# Altium PCB iTOP4412_main_Clasics_v3_2.PcbDoc (part 3 of 7)
Units mil, origin at the board's own origin, x right, y up, seen from the top; angles counter-clockwise.
Board outline 4331.71 x 7481.31 mil, 2 copper layers (TOP, BOTTOM), stack 10.4 mil thick; 260 components, 380 nets, 1380 pads, 1110 vias.
Unrouted connection lines stored in the file: 1.
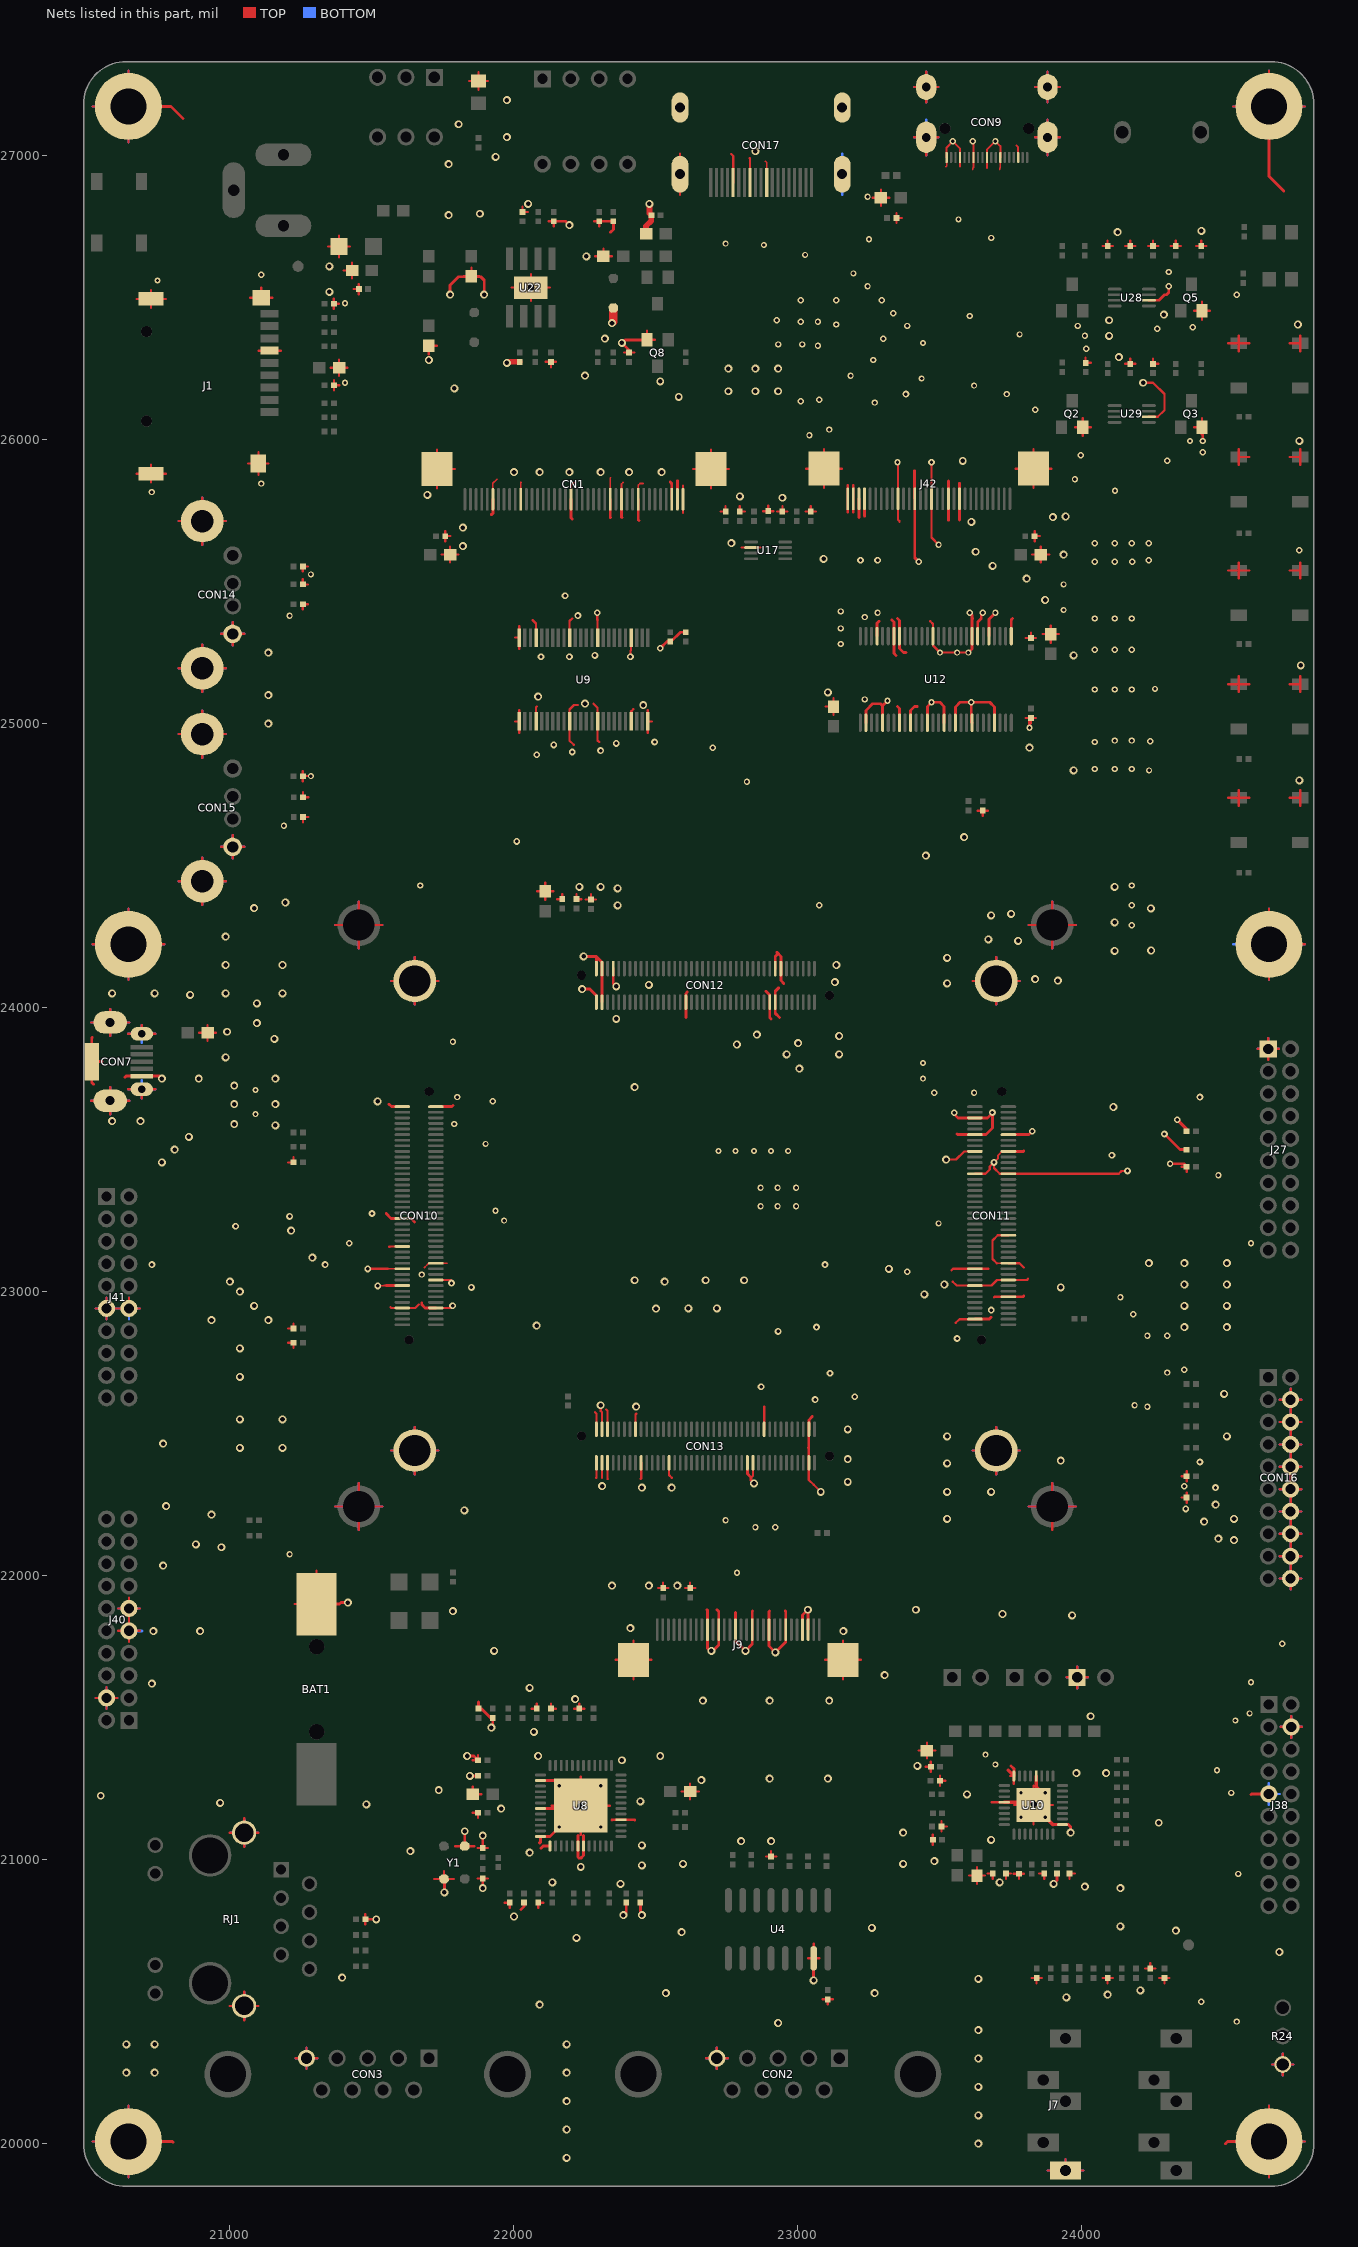
[diagram p3: the nets of this part, all layers, seen from the top]

## Via types
v1: diameter 22, hole 12, TOP to BOTTOM, 637 vias
v2: diameter 28, hole 16, TOP to BOTTOM, 350 vias
v3: diameter 24, hole 12, TOP to BOTTOM, 111 vias
v4: diameter 40, hole 24, TOP to BOTTOM, 12 vias

## Nets (pads, with @x,y where several pads share a name; then routed paths per layer and width w, separated by ;. In a path a pad name is that pad's centre, name@x,y a point inside that pad or via, vN(x,y) a via of type N, cw(c..) or ccw(c..) an arc to the next point about the centre after c; other vN are vias at no path point) (continued)
GND: BAT1.2 C1.2 C2.2 C3.2 C4.2 C5.2 C11.2 C13.2 C26.2 C27.2 C28.1 C29.1 C30.2 C31.2 C32.2 C33.2 C34.2 C35.1 C36.2 C37.2 C38.2 C39.2 C40.2 C41.2 C42.2 C43.2 C45.2 C46.2 C47.2 C48.2 C49.2 C50.2 C51.2 C52.2 C53.2 C54.2 C56.2 C57.2 C58.2 C59.2 C60.2 C61.2 C62.2 C68.2 C69.2 C79.2 C80.2 C87.2 C88.2 C89.1 C93.2 C95.2 C96.2 C99.2 C100.2 C101.2 C102.2 C103.2 C104.2 C105.2 C106.2 C112.2 C117.2 C118.2 C128.2 C129.2 C130.2 C137.2 C144.2 C145.2 C148.2 C149.2 C150.2 C151.2 C152.2 C153.2 C154.2 CN1.6 CN1.11 CN1.20 CN1.27 CN1.29 CN1.32 CN1.38 CN1.39 CN1.40 CN1.41 CN1.42 CON2.5 CON3.5 CON7.5 CON7.6 CON7.7 CON7.8 CON7.9 CON7.10 CON9.1 CON9.4 CON9.7 CON9.10 CON9.13 CON9.17 CON9.20 CON9.21 CON9.22 CON9.23 CON10.7 CON10.8 CON10.15 CON10.18 CON10.21 CON10.24 CON10.29 CON10.39 CON10.79 CON10.80 CON11.6 CON11.11 CON11.12 CON11.17 CON11.18 CON11.25 CON11.26 CON11.47 CON11.57 CON11.60 CON11.63 CON11.66 CON11.69 CON11.78 CON12.14 CON12.15 CON12.16 CON12.17 CON12.47 CON12.74 CON12.77 CON12.78 CON12.79 CON12.80 CON13.3 CON13.4 CON13.20 CON13.23 CON13.25 CON13.53 CON13.63 CON13.66 CON13.75 CON13.76 CON13.77 CON13.78 CON13.79 CON13.80 CON14.4 CON14.5 CON14.6 CON15.4 CON15.5 CON15.6 CON16.4 CON16.6 CON16.8 CON16.10 CON16.12 CON16.14 CON16.16 CON16.18 CON16.20 CON17.5 CON17.8 CON17.11 CON17.20 CON17.21 CON17.22 CON17.23 H5.1 H6.1 H7.1 H8.1 H9.1 H10.1 H11.1 H12.1 H13.1 H14.1 J1.6 J1.10 J1.11 J1.12 J1.13 J5.1 J7.5 J9.10 J9.12 J9.15 J9.18 J9.21 J9.24 J9.27 J9.28 J9.31 J9.32 J27.1 J38.4 J38.9 J40.4 J40.9 J40.11 J41.11 J41.12 J42.10 J42.12 J42.15 J42.18 J42.21 J42.27 J42.28 J42.29 J42.30 J42.31 J42.32 LED1.2 Q2.2 Q3.2 Q5.2 Q8.2 R4.1 R5.1 R11.2 R23.2 R24.1 R26.1 R33.2 R42.1 R44.1 R45.2 R64.1 R65.1 R73.2 R74.2 R77.2 R78.2 R79.2 R89.2 R119.1 R120.1 R128.1 R129.1 R133.2 R135.2 R154.1 R155.2 R174.1 RJ1.13 RJ1.14 U4.15 U8.1 U8.6 U8.7 U8.16 U8.38 U8.43 U8.48 U8.49 U9.4 U9.10 U9.15 U9.21 U9.24 U9.25 U9.28 U9.34 U9.39 U9.45 U9.48 U10.9 U10.20 U10.24 U10.28 U10.33 U12.2 U12.5 U12.8 U12.10 U12.13 U12.16 U12.18 U12.21 U12.25 U12.29 U12.33 U12.35 U12.36 U12.43 U12.49 U12.50 U12.53 U17.2 U22.9 U28.2 U29.2 Y1.2 Y1.4 | length 51416.9
  TOP w6: v3(21522.85,23020.81) 21542.85,23020.81 21543.88,23021.83 21552.85,23021.83 ; 21557.85,23080.57 21558.17,23080.88 CON10.21@21609.9,23080.88 ; 21687.85,23085.57 21689.51,23087.23 21689.51,23087.51 21702.58,23100.58 CON10.24@21728.01,23100.58 21764.51,23100.58 ; CON10.8@21728.01,22943.1 21785.38,22943.1 21786.85,22944.57 v3(21786.85,22950.57) ; CON10.18@21728.01,23041.51 21781.91,23041.51 21782.85,23040.57 v3(21782.85,23030.57) ; 21764.52,23100.57 21767.85,23100.57 ; CN1.6@21928.46,25790.33 21928.46,25846.18 21942.85,25860.57 ; CN1.11@22026.89,25790.33 22026.89,25849.61 22027.85,25850.57 ; CN1.20@22204.05,25790.33 22204.05,25839.33 22215.29,25850.57 ; 22295.76,25366.09 22295.76,25304.52 U9.10@22297.06,25303.21 ; CN1.27@22341.85,25790.33 22341.85,25864.57 22342.85,25865.57 ; CN1.29@22381.22,25790.33 22381.22,25843.94 22387.85,25850.57 ; CN1.32@22440.28,25790.33 22440.28,25839.33 22446.51,25845.57 22457.85,25845.57 ; 22887.85,26980.57 22892.54,26975.89 CON17.11@22892.54,26904.84 ; 23522.85,26960.57 23526.12,26963.84 CON9.1@23526.12,26993.78 ; 23572.85,26960.57 23573.37,26961.08 CON9.4@23573.37,26993.78 ; 23617.85,26950.57 23617.85,26955.57 23620.61,26958.33 CON9.7@23620.61,26993.78 ; 23667.85,26955.57 CON9.10@23667.85,26993.78 ; v3(23692.85,23455.57) 23707.26,23469.98 23707.26,23480.38 23721.16,23494.28 CON11.17@23743.76,23494.28 ; 23702.86,23100.58 CON11.57@23743.76,23100.58 ; 23712.85,26950.57 23712.85,26955.57 23715.1,26957.81 CON9.13@23715.1,26993.78
  TOP w7: CON9.1@23526.12,26993.78 23526.13,27028.84 v1(23547.85,27050.57) 23573.37,27025.06 CON9.4@23573.37,26993.78 ; v1(23617.85,27050.57) 23620.61,27047.81 CON9.7@23620.61,26993.78 ; CON9.10@23667.85,26993.78 23667.85,27020.57 v1(23697.85,27050.57) 23715.09,27033.33 23715.09,27023.28 ; 23772.85,27035.57 23778.09,27030.33 CON9.17@23778.09,26993.78 ; 23715.09,27023.28 CON9.13@23715.1,26993.78 23715.1,27023.28
  TOP w8: 20514.14,23672.78 CON7.9@20581.2,23672.78 ; 20514.14,23948.37 CON7.8@20581.2,23948.37 ; 20519.33,20008.05 H13.1@20645.33,20008.05 ; 20519.33,24223.41 H12.1@20645.33,24223.41 ; 20519.33,27173.41 H10.1@20645.33,27173.41 ; 20530.48,21569.98 J40.4@20568.48,21569.98 ; 20530.48,22941.52 J41.11@20568.48,22941.52 ; 20568.48,21531.98 J40.4@20568.48,21569.98 ; 20568.48,21607.98 J40.4@20568.48,21569.98 ; 20568.48,22903.51 J41.11@20568.48,22941.52 ; 20568.48,22979.52 J41.11@20568.48,22941.52 ; 20581.2,23625.4 CON7.9@20581.2,23672.78 ; 20581.2,23720.15 CON7.9@20581.2,23672.78 ; 20581.2,23900.99 CON7.8@20581.2,23948.37 ; 20581.2,23995.74 CON7.8@20581.2,23948.37 ; 20606.49,21569.98 J40.4@20568.48,21569.98 ; 20606.49,22941.52 J41.11@20568.48,22941.52 ; 20609.22,21806.2 J40.9@20647.22,21806.2 ; 20609.22,21884.94 J40.11@20647.22,21884.94 ; 20609.22,22941.52 J41.12@20647.22,22941.52 ; 20645.05,23713.13 CON7.7@20692.42,23713.13 ; 20645.05,23908.01 CON7.6@20692.42,23908.01 ; 20645.33,19882.05 H13.1@20645.33,20008.05 ; 20645.33,20134.05 H13.1@20645.33,20008.05 ; 20645.33,24097.4 H12.1@20645.33,24223.41 ; 20645.33,24349.41 H12.1@20645.33,24223.41 ; 20645.33,27047.4 H10.1@20645.33,27173.41 ; 20645.33,27299.41 H10.1@20645.33,27173.41 ; 20647.22,21768.2 J40.9@20647.22,21806.2 ; 20647.22,21844.2 J40.9@20647.22,21806.2 ; 20647.22,21846.94 J40.11@20647.22,21884.94 ; 20647.22,21922.94 J40.11@20647.22,21884.94 ; 20647.22,22979.52 J41.12@20647.22,22941.52 ; 20648.26,23672.78 CON7.9@20581.2,23672.78 ; 20648.26,23948.37 CON7.8@20581.2,23948.37 ; 20673.6,25880.45 J1.13@20725.1,25880.45 ; 20673.6,26495.69 J1.11@20725.1,26495.69 ; 20685.23,21806.2 J40.9@20647.22,21806.2 ; 20685.23,21884.94 J40.11@20647.22,21884.94 ; 20685.23,22941.52 J41.12@20647.22,22941.52 ; 20692.42,23681.51 CON7.7@20692.42,23713.13 ; 20692.42,23939.64 CON7.6@20692.42,23908.01 ; 20725.1,25848.95 J1.13@20725.1,25880.45 ; 20725.1,25911.96 J1.13@20725.1,25880.45 ; 20725.1,26464.19 J1.11@20725.1,26495.69 ; 20725.1,26527.19 J1.11@20725.1,26495.69 ; 20739.79,23713.13 CON7.7@20692.42,23713.13 ; 20739.79,23908.01 CON7.6@20692.42,23908.01 ; 20771.34,24223.41 H12.1@20645.33,24223.41 ; 20776.6,25880.45 J1.13@20725.1,25880.45 ; 20776.6,26495.69 J1.11@20725.1,26495.69 ; 20822.35,24445.47 CON15.6@20905.35,24445.47 ; 20822.35,24963.47 CON15.5@20905.35,24963.47 ; 20822.35,25195.47 CON14.6@20905.35,25195.47 ; 20822.35,25713.47 CON14.5@20905.35,25713.47 ; 20893.85,23911.57 C89.1@20923.85,23911.57 ; 20905.35,24362.47 CON15.6@20905.35,24445.47 ; 20905.35,24528.47 CON15.6@20905.35,24445.47 ; 20905.35,24880.47 CON15.5@20905.35,24963.47 ; 20905.35,25046.47 CON15.5@20905.35,24963.47 ; 20905.35,25112.47 CON14.6@20905.35,25195.47 ; 20905.35,25278.47 CON14.6@20905.35,25195.47 ; 20905.35,25630.47 CON14.5@20905.35,25713.47 ; 20905.35,25796.47 CON14.5@20905.35,25713.47 ; 20923.85,23883.57 C89.1@20923.85,23911.57 ; 20923.85,23939.57 C89.1@20923.85,23911.57 ; 20953.86,23911.57 C89.1@20923.85,23911.57 ; 20971.85,24566.47 CON15.4@21012.35,24566.47 ; 20971.85,25316.47 CON14.4@21012.35,25316.47 ; 20988.36,24445.47 CON15.6@20905.35,24445.47 ; 20988.36,24963.47 CON15.5@20905.35,24963.47 ; 20988.36,25195.47 CON14.6@20905.35,25195.47 ; 20988.36,25713.47 CON14.5@20905.35,25713.47 ; 21002.35,20485.57 RJ1.14@21052.85,20485.57 ; 21002.35,21095.57 RJ1.13@21052.85,21095.57 ; 21012.35,24525.97 CON15.4@21012.35,24566.47 ; 21012.35,24606.97 CON15.4@21012.35,24566.47 ; 21012.35,25275.97 CON14.4@21012.35,25316.47 ; 21012.35,25356.97 CON14.4@21012.35,25316.47 ; 21052.85,20435.07 RJ1.14@21052.85,20485.57 ; 21052.85,20536.08 RJ1.14@21052.85,20485.57 ; 21052.85,21045.07 RJ1.13@21052.85,21095.57 ; 21052.85,21146.08 RJ1.13@21052.85,21095.57 ; 21052.86,24566.47 CON15.4@21012.35,24566.47 ; 21052.86,25316.47 CON14.4@21012.35,25316.47 ; 21067.55,25915.88 J1.12@21103.05,25915.88 ; 21073.55,26499.69 J1.10@21113.05,26499.69 ; 21102.92,26313.52 J1.6@21142.42,26313.52 21181.92,26313.52 ; 21103.05,25876.38 J1.12@21103.05,25915.88 ; 21103.05,25955.38 J1.12@21103.05,25915.88 ; 21103.36,20485.57 RJ1.14@21052.85,20485.57 ; 21103.36,21095.57 RJ1.13@21052.85,21095.57 ; 21113.05,26535.19 J1.10@21113.05,26499.69 ; 21138.55,25915.88 J1.12@21103.05,25915.88 ; 21152.55,26499.69 J1.10@21113.05,26499.69 ; 21207.85,22820.57 C112.2@21226.35,22820.57 21226.35,22802.57 ; 21207.85,22870.57 C117.2@21226.35,22870.57 21226.35,22888.57 ; 21207.85,23455.57 R174.1@21226.35,23455.57 21226.35,23473.57 ; 21229.85,21900.57 BAT1.2@21307.85,21900.57 21307.85,22018.57 ; 21234.1,20301.48 CON3.5@21272.11,20301.48 ; 21259.35,24797.57 C88.2@21259.35,24815.57 ; 21259.35,24833.57 C88.2@21259.35,24815.57 ; 21259.35,25402.57 R119.1@21259.35,25420.57 21277.86,25420.57 ; 21259.35,25508.57 R120.1@21259.35,25490.57 21277.86,25490.57 ; 21259.35,25535.57 C87.2@21259.35,25553.57 21277.86,25553.57 ; 21260.35,24653.57 R128.1@21260.35,24671.57 21278.86,24671.57 ; 21260.35,24759.57 R129.1@21260.35,24741.57 21278.86,24741.57 ; 21272.11,20263.47 CON3.5@21272.11,20301.48 ; 21272.11,20339.48 CON3.5@21272.11,20301.48 ; v1@21277.86,24815.57 C88.2@21259.35,24815.57 ; 21310.11,20301.48 CON3.5@21272.11,20301.48 ; 21348.87,26680.57 C1.2@21386.87,26680.57 ; 21356.85,26253.57 C42.2@21386.85,26253.57 ; 21368.35,26460.57 C43.2@21368.35,26478.57 ; 21368.35,26496.57 C43.2@21368.35,26478.57 ; 21369.35,26173.57 C41.2@21369.35,26191.57 ; 21369.35,26209.57 C41.2@21369.35,26191.57 ; 21373.65,22244.06 21456.65,22244.06 ; 21373.65,24291.3 21456.65,24291.3 ; 21386.85,26225.57 C42.2@21386.85,26253.57 ; 21386.85,26281.57 C42.2@21386.85,26253.57 ; 21386.86,26478.57 C43.2@21368.35,26478.57 ; 21386.87,26642.57 C1.2@21386.87,26680.57 ; 21386.87,26718.57 C1.2@21386.87,26680.57 ; 21387.86,26191.57 C41.2@21369.35,26191.57 ; 21402.85,26595.57 C3.2@21432.85,26595.57 ; 21416.86,26253.57 C42.2@21386.85,26253.57 ; 21424.88,26680.57 C1.2@21386.87,26680.57 ; 21432.85,26567.57 C3.2@21432.85,26595.57 ; 21432.85,26623.57 C3.2@21432.85,26595.57 ; 21437.85,26530.57 C2.2@21456.35,26530.57 ; 21456.35,26512.57 C2.2@21456.35,26530.57 ; 21456.35,26548.57 C2.2@21456.35,26530.57 ; 21456.65,22161.05 21456.65,22244.06 ; 21456.65,22327.06 21456.65,22244.06 ; 21456.65,24208.3 21456.65,24291.3 ; 21456.65,24374.3 21456.65,24291.3 ; 21479.35,20772.57 C40.2@21479.35,20790.57 21479.35,20808.57 ; 21539.65,22244.06 21456.65,22244.06 ; 21539.65,24291.3 21456.65,24291.3 ; 21562.85,23158.94 21566.23,23158.94 21566.9,23159.62 CON10.29@21609.9,23159.62 ; 21567.85,22945.57 21570.33,22943.1 CON10.7@21609.9,22943.1 21655.38,22943.1 21667.85,22955.57 ; 21570.5,22440.91 H6.1@21653.5,22440.91 ; 21570.5,24094.45 H7.1@21653.5,24094.45 ; 21653.5,22357.91 H6.1@21653.5,22440.91 ; 21653.5,22523.91 H6.1@21653.5,22440.91 ; 21653.5,24011.45 H7.1@21653.5,24094.45 ; 21653.5,24177.45 H7.1@21653.5,24094.45 ; 21702.85,26300.57 C93.2@21702.85,26330.57 21730.86,26330.57 ; 21721.81,20932.89 Y1.4@21756.31,20932.89 ; 21731.61,25828.63 CN1.41@21731.61,25896.63 ; 21731.61,25964.64 CN1.41@21731.61,25896.63 ; 21736.5,22440.91 H6.1@21653.5,22440.91 ; 21736.5,24094.45 H7.1@21653.5,24094.45 ; 21747.85,25595.57 C152.2@21777.85,25595.57 ; 21756.31,20959.98 Y1.4@21756.31,20932.89 ; 21760.85,25642.57 C153.2@21760.85,25660.57 ; 21760.85,25678.57 C153.2@21760.85,25660.57 ; 21777.85,25567.57 C152.2@21777.85,25595.57 ; 21777.85,25623.57 C152.2@21777.85,25595.57 ; 21779.36,25660.57 C153.2@21760.85,25660.57 ; 21790.82,20932.89 Y1.4@21756.31,20932.89 ; 21794.62,25896.63 CN1.41@21731.61,25896.63 ; 21794.89,21048.25 Y1.2@21829.39,21048.25 21863.9,21048.25 ; 21807.86,25595.57 C152.2@21777.85,25595.57 ; 21824.85,26575.57 C154.2@21852.85,26575.57 ; 21844.26,27262.97 LED1.2@21877.85,27262.97 ; 21852.85,26605.57 C154.2@21852.85,26575.57 ; 21857.85,21165.57 C31.2@21876.35,21165.57 21876.35,21147.57 ; 21857.85,21258.57 C27.2@21857.85,21230.57 21887.86,21230.57 ; 21857.85,21350.57 C32.2@21876.35,21350.57 21876.35,21368.57 ; 21874.85,20934.07 C36.2@21892.85,20934.07 21910.86,20934.07 ; 21874.85,21042.07 C37.2@21892.85,21042.07 21910.86,21042.07 ; 21877.85,27231.35 LED1.2@21877.85,27262.97 ; 21877.85,27294.6 LED1.2@21877.85,27262.97 ; 21880.86,26575.57 C154.2@21852.85,26575.57 ; 21911.45,27262.97 LED1.2@21877.85,27262.97 ; 21969.85,20849.07 C29.1@21987.85,20849.07 21987.85,20830.57 ; 21995.3,26535.57 v4(22062.35,26535.57) ; 22007.47,25007.93 U9.25@22021.47,25007.93 ; 22007.47,25303.21 U9.24@22021.47,25303.21 ; 22021.47,24967.43 U9.25@22021.47,25007.93 ; 22021.47,25048.43 U9.25@22021.47,25007.93 ; 22021.47,25262.71 U9.24@22021.47,25303.21 ; 22021.47,25343.72 U9.24@22021.47,25303.21 ; 22032.85,26820.57 C96.2@22032.85,26802.07 22050.86,26802.07 ; 22062.35,26488.2 v4(22062.35,26535.57) ; 22062.35,26582.94 v4(22062.35,26535.57) ; 22064.85,21532.07 C35.1@22082.85,21532.07 22082.85,21550.57 ; 22067.85,25365.57 22080.53,25352.89 U9.21@22080.53,25303.21 ; U9.28@22080.53,25007.93 22080.53,25058.25 22082.85,25060.57 ; 22084.85,24410.57 C118.2@22112.85,24410.57 ; 22087.85,20830.57 C38.2@22087.85,20849.07 22105.86,20849.07 ; 22112.85,24380.57 C118.2@22112.85,24410.57 ; 22112.85,24440.57 C118.2@22112.85,24410.57 ; 22114.85,26274.07 R135.2@22132.85,26274.07 ; 22124.85,26769.07 C95.2@22142.85,26769.07 22142.85,26750.57 ; 22129.41,26535.57 v4(22062.35,26535.57) ; 22132.85,21550.57 R45.2@22132.85,21532.07 22150.86,21532.07 ; 22132.85,26255.57 R135.2@22132.85,26274.07 ; 22134.85,21190.57 v4(22237.85,21190.57) ; 22140.86,24410.57 C118.2@22112.85,24410.57 ; 22150.86,26274.07 R135.2@22132.85,26274.07 ; 22154.85,24382.39 C130.2@22172.85,24382.39 22172.85,24400.89 ; U9.15@22198.65,25303.21 22198.65,25361.36 22207.85,25370.57 ; 22212.85,24925.57 22198.65,24939.78 U9.34@22198.65,25007.93 22198.65,25050.43 22213.79,25065.57 22227.85,25065.57 ; 22214.85,21532.07 R42.1@22232.85,21532.07 ; 22222.85,24400.89 C129.2@22222.85,24382.39 22240.86,24382.39 ; 22232.85,21550.57 R42.1@22232.85,21532.07 ; 22237.85,21087.57 v4(22237.85,21190.57) ; 22237.85,21293.57 v4(22237.85,21190.57) ; 22250.86,21532.07 R42.1@22232.85,21532.07 ; 22255.85,24381.07 C128.2@22273.85,24381.07 ; 22273.85,24399.57 C128.2@22273.85,24381.07 ; 22282.85,25070.57 22297.06,25056.36 U9.39@22297.06,25007.93 22297.06,24941.36 22302.85,24935.57 ; 22284.85,26769.07 R4.1@22302.85,26769.07 22302.85,26750.57 ; 22287.85,22575.57 22292.97,22570.45 CON13.80@22292.97,22515.93 ; 22287.85,26645.57 C62.2@22317.85,26645.57 ; 22291.86,24381.07 C128.2@22273.85,24381.07 ; 22292.85,22345.57 22292.97,22345.69 CON13.79@22292.97,22397.81 ; v3(22295.76,25390.57) 22295.76,25366.09 22297.06,25364.78 ; U9.10@22297.06,25303.21 22297.06,25364.78 ; 22297.85,25365.57 22297.06,25364.78 ; v2(22307.85,22600.57) 22307.85,22580.57 22312.66,22575.76 CON13.78@22312.66,22515.93 ; CON13.77@22312.66,22397.81 22312.66,22345.76 22312.85,22345.57 ; 22317.85,26673.57 C62.2@22317.85,26645.57 ; 22327.85,22585.57 22332.34,22581.08 CON13.76@22332.34,22515.93 ; CON13.75@22332.34,22397.81 22332.34,22341.08 22332.85,22340.57 ; 22340.86,21190.57 v4(22237.85,21190.57) ; 22347.86,26645.57 C62.2@22317.85,26645.57 ; 22360.57,21704.27 J9.32@22423.57,21704.27 ; 22389.85,26307.07 R11.2@22407.85,26307.07 22425.86,26307.07 ; v3(22412.85,25235.57) 22412.85,25256.57 22415.17,25258.89 U9.4@22415.17,25303.21 ; U9.45@22415.17,25007.93 22415.17,25042.89 22422.85,25050.57 ; 22423.57,21636.27 J9.32@22423.57,21704.27 ; 22423.57,21772.27 J9.32@22423.57,21704.27 ; CON13.66@22430.77,22515.93 22430.77,22568.49 22432.85,22570.57 ; 22447.85,22340.57 22450.45,22343.17 CON13.63@22450.45,22397.81 ; 22470.85,26383.19 Q8.2@22470.85,26351.57 22498.54,26351.57 ; 22474.24,24967.43 U9.48@22474.24,25007.93 ; 22474.24,25048.43 U9.48@22474.24,25007.93 ; 22486.57,21704.27 J9.32@22423.57,21704.27 ; 22488.24,25007.93 U9.48@22474.24,25007.93 ; 22509.85,21957.07 C69.2@22527.85,21957.07 ; 22527.85,21975.57 C69.2@22527.85,21957.07 ; 22545.86,21957.07 C69.2@22527.85,21957.07 ; CON13.53@22548.88,22397.81 22548.88,22354.54 22557.85,22345.57 ; 22587.42,26861.8 CON17.22@22587.42,26934.76 22587.42,27007.73 ; 22592.85,21240.57 C34.2@22622.85,21240.57 ; 22597.76,25742.33 CN1.40@22597.76,25790.33 22597.76,25838.34 ; 22604.85,21957.07 C68.2@22622.85,21957.07 ; 22622.85,21212.57 C34.2@22622.85,21240.57 ; 22622.85,21268.57 C34.2@22622.85,21240.57 ; 22622.85,21975.57 C68.2@22622.85,21957.07 ; 22633.18,25896.63 CN1.42@22696.18,25896.63 ; 22640.86,21957.07 C68.2@22622.85,21957.07 ; 22652.86,21240.57 C34.2@22622.85,21240.57 ; 22679.1,20301.48 CON2.5@22717.11,20301.48 ; 22696.18,25828.63 CN1.42@22696.18,25896.63 ; 22696.18,25964.64 CN1.42@22696.18,25896.63 ; 22717.11,20263.47 CON2.5@22717.11,20301.48 ; 22717.11,20339.48 CON2.5@22717.11,20301.48 ; 22729.85,25747.07 C80.2@22747.85,25747.07 22747.85,25765.57 ; 22755.11,20301.48 CON2.5@22717.11,20301.48 ; 22759.18,25896.63 CN1.42@22696.18,25896.63 ; 22767.85,27005.57 22774.43,26999 CON17.5@22774.43,26904.84 ; 22797.85,25765.57 C149.2@22797.85,25747.07 22815.86,25747.07 ; 22805.21,25620.41 U17.2@22837.81,25620.41 22870.42,25620.41 ; 22832.85,26990.57 22833.48,26989.94 CON17.8@22833.48,26904.84 ; 22837.85,22345.57 22844.15,22351.87 CON13.23@22844.15,22397.81 ; 22879.85,25748.57 C79.2@22897.85,25748.57 ; 22882.85,22595.57 22883.52,22594.91 CON13.20@22883.52,22515.93 ; 22889.85,21012.07 C13.2@22907.85,21012.07 ; 22897.85,25767.07 C79.2@22897.85,25748.57 ; 22907.85,21030.57 C13.2@22907.85,21012.07 ; 22915.86,25748.57 C79.2@22897.85,25748.57 ; 22925.86,21012.07 C13.2@22907.85,21012.07 ; 22929.85,25747.07 C148.2@22947.85,25747.07 ; 22947.85,25765.57 C148.2@22947.85,25747.07 ; 22965.86,25747.07 C148.2@22947.85,25747.07 ; 23029.85,25747.07 R26.1@23047.85,25747.07 ; 23031.57,25898.19 J42.31@23094.57,25898.19 ; 23037.85,22450.57 23041,22447.43 ; 23038.04,20653.21 U4.15@23057.85,20653.21 ; CON13.4@23041,22515.93 23041,22447.43 ; 23047.85,25765.57 R26.1@23047.85,25747.07 ; 23057.85,20704.52 U4.15@23057.85,20653.21 ; 23065.86,25747.07 R26.1@23047.85,25747.07 ; 23077.67,20653.21 U4.15@23057.85,20653.21 ; v2(23082.85,22295.57) 23057.85,22320.57 23057.85,22320.77 23041,22337.63 CON13.3@23041,22397.81 23041,22447.43 ; 23089.85,20509.07 C11.2@23107.85,20509.07 ; 23094.57,25830.18 J42.31@23094.57,25898.19 ; 23094.57,25966.19 J42.31@23094.57,25898.19 ; 23098.13,21704.27 J9.31@23161.14,21704.27 ; 23099.85,25060.57 C56.2@23127.85,25060.57 ; 23107.85,20490.57 C11.2@23107.85,20509.07 ; 23125.86,20509.07 C11.2@23107.85,20509.07 ; 23127.85,25030.57 C56.2@23127.85,25060.57 ; 23127.85,25090.57 C56.2@23127.85,25060.57 ; 23157.57,25898.19 J42.31@23094.57,25898.19 ; 23161.14,21636.27 J9.31@23161.14,21704.27 ; 23161.14,21772.27 J9.31@23161.14,21704.27 ; 23177.85,25743.88 J42.30@23177.85,25791.89 23177.85,25839.89 ; 23197.53,25743.88 J42.29@23197.53,25791.89 23197.53,25839.89 ; 23224.14,21704.27 J9.31@23161.14,21704.27 ; 23264.85,26851.57 C106.2@23294.85,26851.57 ; 23294.85,26823.57 C106.2@23294.85,26851.57 ; 23294.85,26879.57 C106.2@23294.85,26851.57 ; 23324.86,26851.57 C106.2@23294.85,26851.57 ; 23349.35,26762.57 C150.2@23349.35,26780.57 ; 23349.35,26798.57 C150.2@23349.35,26780.57 ; v1@23352.85,25925.44 23352.85,25920.7 v1(23352.98,25920.57) 23355.01,25918.54 J42.21@23355.01,25791.89 23355.01,25718.41 23360.04,25713.38 23360.04,25710.57 ; 23367.86,26780.57 C150.2@23349.35,26780.57 ; 23410.84,27064.65 CON9.20@23454.27,27064.65 ; 23410.84,27241.81 CON9.22@23454.27,27241.81 ; 23426.85,21384.57 C46.2@23456.85,21384.57 ; 23451.85,21327.57 C47.2@23470.35,21327.57 ; 23454.27,27001.53 CON9.20@23454.27,27064.65 ; 23454.27,27188.53 CON9.22@23454.27,27241.81 ; 23454.27,27295.09 CON9.22@23454.27,27241.81 ; 23456.85,21356.57 C46.2@23456.85,21384.57 ; 23456.85,21412.57 C46.2@23456.85,21384.57 ; 23468.37,25360.57 23478.01,25350.93 U12.43@23478.01,25308.44 23478.01,25275.41 v1(23502.85,25250.57) v1(23562.85,25250.57) v1(23602.85,25250.57) ; 23470.35,21309.57 C47.2@23470.35,21327.57 ; 23470.35,21345.57 C47.2@23470.35,21327.57 ; v3(23472.85,25920.57) 23472.85,25792.15 J42.15@23473.12,25791.89 23473.12,25655.3 v1(23497.85,25630.57) ; 23477.35,21052.57 C45.2@23477.35,21070.57 23477.35,21088.57 ; 23486.86,21384.57 C46.2@23456.85,21384.57 ; 23497.71,27064.65 CON9.20@23454.27,27064.65 ; 23497.71,27241.81 CON9.22@23454.27,27241.81 ; 23502.35,21260.57 R73.2@23502.35,21278.57 ; 23502.35,21296.57 R73.2@23502.35,21278.57 ; 23508.35,21099.57 R74.2@23508.35,21117.57 ; 23508.35,21135.57 R74.2@23508.35,21117.57 ; 23520.86,21278.57 R73.2@23502.35,21278.57 ; v2(23524.12,23465.57) 23559.44,23465.57 23588.15,23494.28 CON11.18@23625.65,23494.28 ; 23526.86,21117.57 R74.2@23508.35,21117.57 ; 23542.85,23075.57 23548.17,23080.88 CON11.60@23625.65,23080.88 23672.54,23080.88 23672.85,23080.57 ; 23547.85,23035.57 23561.59,23021.83 CON11.66@23625.65,23021.83 23684.12,23021.83 23703.79,23041.51 CON11.63@23743.76,23041.51 23808.79,23041.51 23812.85,23045.57 ; 23557.85,22890.57 23571.01,22903.72 CON11.78@23625.65,22903.72 ; 23604.85,20944.57 C53.2@23632.85,20944.57 ; 23617.76,22440.91 H5.1@23700.76,22440.91 ; 23617.86,24094.45 H8.1@23700.86,24094.45 ; CON11.26@23625.65,23415.54 23663.12,23415.54 23678,23430.42 23678,23440.72 v3(23692.85,23455.57) 23692.85,23435.61 23712.92,23415.54 CON11.25@23743.76,23415.54 24131.82,23415.54 24141.85,23425.57 v3(24162.85,23425.57) ; 23632.85,20914.57 C53.2@23632.85,20944.57 ; 23632.85,20974.57 C53.2@23632.85,20944.57 ; 23634.85,24694.07 R89.2@23652.85,24694.07 ; 23652.85,24675.57 R89.2@23652.85,24694.07 ; 23660.86,20944.57 C53.2@23632.85,20944.57 ; 23670.85,20952.07 C54.2@23688.85,20952.07 23688.85,20933.57 ; 23670.86,24694.07 R89.2@23652.85,24694.07 ; 23692.85,22980.57 23694.75,22982.47 CON11.69@23743.76,22982.47 ; 23700.76,22357.91 H5.1@23700.76,22440.91 ; 23700.76,22523.91 H5.1@23700.76,22440.91 ; 23700.86,24011.45 H8.1@23700.86,24094.45 ; 23700.86,24177.45 H8.1@23700.86,24094.45 ; 23702.86,23100.58 23687.85,23115.58 23687.85,23180.58 23706.26,23198.99 CON11.47@23743.76,23198.99 ; 23734.85,20933.57 C49.2@23734.85,20952.07 23752.86,20952.07 ; CON11.57@23743.76,23100.58 23782.85,23100.58 23797.85,23085.57 ; 23749.73,21295.2 U10.24@23762.73,21295.2 23762.73,21267.19 ; 23762.85,20951.07 C48.2@23780.85,20951.07 ; 23763.63,21192.83 U10.33@23831.63,21192.83 ; 23769.13,25898.19 J42.32@23832.14,25898.19 ; 23780.85,20932.57 C48.2@23780.85,20951.07 ; 23783.76,22440.91 H5.1@23700.76,22440.91 ; 23783.86,24094.45 H8.1@23700.86,24094.45 ; 23798.86,20951.07 C48.2@23780.85,20951.07 ; 23804.85,25020.07 C57.2@23822.85,25020.07 ; 23804.85,25302.07 C60.2@23822.85,25302.07 ; 23814.6,22244.06 23897.6,22244.06 ; 23814.6,24291.3 23897.6,24291.3 ; 23822.85,25001.57 C57.2@23822.85,25020.07 ; 23822.85,25320.57 C60.2@23822.85,25302.07 ; 23824.85,20584.07 R79.2@23842.85,20584.07 ; 23827.85,25595.57 C144.2@23857.85,25595.57 ; 23831.63,21124.83 U10.33@23831.63,21192.83 ; 23831.63,21260.84 U10.33@23831.63,21192.83 ; 23832.14,25830.18 J42.32@23832.14,25898.19 ; 23832.14,25966.19 J42.32@23832.14,25898.19 ; 23835.85,25642.57 C145.2@23835.85,25660.57 ; 23835.85,25678.57 C145.2@23835.85,25660.57 ; 23838,27064.65 CON9.21@23881.44,27064.65 ; 23838,27241.81 CON9.23@23881.44,27241.81 ; 23840.86,25020.07 C57.2@23822.85,25020.07 ; 23840.86,25302.07 C60.2@23822.85,25302.07 ; 23842.85,20565.57 R79.2@23842.85,20584.07 ; 23851.85,20952.07 C50.2@23869.85,20952.07 23869.85,20933.57 ; 23854.36,25660.57 C145.2@23835.85,25660.57 ; 23857.85,25567.57 C144.2@23857.85,25595.57 ; 23857.85,25623.57 C144.2@23857.85,25595.57 ; 23860.86,20584.07 R79.2@23842.85,20584.07 ; 23864.85,25315.57 C59.2@23892.85,25315.57 ; 23881.44,27001.53 CON9.21@23881.44,27064.65 ; 23881.44,27127.77 CON9.21@23881.44,27064.65 ; 23881.44,27188.53 CON9.23@23881.44,27241.81 ; 23881.44,27295.09 CON9.23@23881.44,27241.81 ; 23881.7,19905.96 J7.5@23944.82,19905.96 ; 23887.86,25595.57 C144.2@23857.85,25595.57 ; 23892.85,25285.57 C59.2@23892.85,25315.57 ; 23892.85,25345.57 C59.2@23892.85,25315.57 ; 23895.14,25898.19 J42.32@23832.14,25898.19 ; 23897.6,22161.05 23897.6,22244.06 ; 23897.6,22327.06 23897.6,22244.06 ; 23897.6,24208.3 23897.6,24291.3 ; 23897.6,24374.3 23897.6,24291.3 ; 23899.63,21192.83 U10.33@23831.63,21192.83 ; 23920.86,25315.57 C59.2@23892.85,25315.57 ; 23924.87,27064.65 CON9.21@23881.44,27064.65 ; 23924.87,27241.81 CON9.23@23881.44,27241.81 ; 23944.82,19945.46 J7.5@23944.82,19905.96 ; 23947.85,21642.57 J5.1@23985.85,21642.57 ; 23958.85,20933.57 C52.2@23958.85,20952.07 23976.86,20952.07 ; 23977.67,26044.32 Q2.2@24005.35,26044.32 ; 23980.6,22244.06 23897.6,22244.06 ; 23980.6,24291.3 23897.6,24291.3 ; 23985.85,21604.57 J5.1@23985.85,21642.57 ; 23985.85,21680.57 J5.1@23985.85,21642.57 ; 24005.35,26012.7 Q2.2@24005.35,26044.32 ; 24005.35,26075.94 Q2.2@24005.35,26044.32 ; 24007.94,19905.96 J7.5@23944.82,19905.96 ; 24015.35,26289.17 C105.2@24015.35,26270.67 24033.36,26270.67 ; 24023.86,21642.57 J5.1@23985.85,21642.57 ; 24033.04,26044.32 Q2.2@24005.35,26044.32 ; 24074.85,20584.07 R78.2@24092.85,20584.07 ; 24074.85,26682.07 R154.1@24092.85,26682.07 ; 24092.85,20565.57 R78.2@24092.85,20584.07 ; 24092.85,26700.57 R154.1@24092.85,26682.07 ; 24110.86,20584.07 R78.2@24092.85,20584.07 ; 24110.86,26682.07 R154.1@24092.85,26682.07 ; 24154.85,26267.07 C103.2@24172.85,26267.07 ; 24154.85,26682.07 R155.2@24172.85,26682.07 ; 24172.85,26285.57 C103.2@24172.85,26267.07 ; 24172.85,26700.57 R155.2@24172.85,26682.07 ; 24190.86,26267.07 C103.2@24172.85,26267.07 ; 24190.86,26682.07 R155.2@24172.85,26682.07 ; v2(24217.85,26200.57) 24252.85,26200.57 24292.85,26160.57 24292.85,26103.96 24269.62,26080.73 U29.2@24237.89,26080.73 ; 24224.85,20617.07 R77.2@24242.85,20617.07 ; 24234.85,26682.07 C104.2@24252.85,26682.07 ; 24242.85,20635.57 R77.2@24242.85,20617.07 ; 24252.85,26285.57 C151.2@24252.85,26267.07 24270.86,26267.07 ; 24252.85,26700.57 C104.2@24252.85,26682.07 ; 24260.86,20617.07 R77.2@24242.85,20617.07 ; 24270.86,26682.07 C104.2@24252.85,26682.07 ; 24274.85,20584.07 C137.2@24292.85,20584.07 ; 24292.85,20565.57 C137.2@24292.85,20584.07 ; 24310.86,20584.07 C137.2@24292.85,20584.07 ; 24314.85,26682.07 C102.2@24332.85,26682.07 ; 24332.85,26700.57 C102.2@24332.85,26682.07 ; 24350.86,26682.07 C102.2@24332.85,26682.07 ; 24352.85,22275.57 R65.1@24371.35,22275.57 ; 24352.85,22350.57 R64.1@24371.35,22350.57 ; 24352.85,23440.57 C99.2@24371.35,23440.57 24371.35,23422.57 ; 24371.35,22257.57 R65.1@24371.35,22275.57 ; 24371.35,22293.57 R65.1@24371.35,22275.57 ; 24371.35,22332.57 R64.1@24371.35,22350.57 ; 24371.35,22368.57 R64.1@24371.35,22350.57 ; 24397.67,26044.32 Q3.2@24425.35,26044.32 24425.35,26075.94 ; 24397.67,26454.32 Q5.2@24425.35,26454.32 ; 24404.85,26682.07 R23.2@24422.85,26682.07 ; 24422.85,26700.57 R23.2@24422.85,26682.07 ; 24425.35,26422.7 Q5.2@24425.35,26454.32 ; 24425.35,26485.94 Q5.2@24425.35,26454.32 ; 24440.86,26682.07 R23.2@24422.85,26682.07 ; 24453.04,26454.32 Q5.2@24425.35,26454.32 ; 24517.06,24739.31 24554.59,24739.31 ; 24517.06,25139.31 24554.59,25139.31 ; 24517.06,25539.31 24554.59,25539.31 ; 24517.06,26339.31 24554.59,26339.31 ; 24535.08,27173.41 H11.1@24661.08,27173.41 ; 24554.59,24711.62 24554.59,24739.31 ; 24554.59,24767 24554.59,24739.31 ; 24554.59,25111.62 24554.59,25139.31 ; 24554.59,25167 24554.59,25139.31 ; 24554.59,25511.62 24554.59,25539.31 ; 24554.59,25567 24554.59,25539.31 ; 24554.59,25911.62 24554.59,25939.31 ; 24554.59,25967 24554.59,25939.31 ; 24554.59,26311.62 24554.59,26339.31 ; 24554.59,26367 24554.59,26339.31 ; 24592.12,24739.31 24554.59,24739.31 ; 24592.12,25139.31 24554.59,25139.31 ; 24592.12,25539.31 24554.59,25539.31 ; 24592.12,25939.31 24554.59,25939.31 ; 24592.12,26339.31 24554.59,26339.31 ; 24620.48,23855.22 J27.1@24658.48,23855.22 ; 24658.48,23817.22 J27.1@24658.48,23855.22 ; 24658.48,23893.22 J27.1@24658.48,23855.22 ; 24661.08,19882.05 H14.1@24661.08,20008.05 ; 24661.08,20134.05 H14.1@24661.08,20008.05 ; 24661.08,24097.4 H9.1@24661.08,24223.41 ; 24661.08,24349.41 H9.1@24661.08,24223.41 ; 24661.08,27299.41 H11.1@24661.08,27173.41 ; 24671.9,20279.57 R24.1@24709.43,20279.57 ; 24696.49,23855.22 J27.1@24658.48,23855.22 ; 24699.22,21990.24 CON16.20@24737.22,21990.24 ; 24699.22,22068.98 CON16.18@24737.22,22068.98 ; 24699.22,22147.72 CON16.16@24737.22,22147.72 ; 24699.22,22226.46 CON16.14@24737.22,22226.46 ; 24699.22,22305.2 CON16.12@24737.22,22305.2 ; 24699.22,22383.94 CON16.10@24737.22,22383.94 ; 24699.22,22462.68 CON16.8@24737.22,22462.68 ; 24699.22,22541.42 CON16.6@24737.22,22541.42 ; 24699.22,22620.16 CON16.4@24737.22,22620.16 ; 24701.22,21468.16 J38.4@24739.22,21468.16 ; 24709.43,20242.04 R24.1@24709.43,20279.57 ; 24709.43,20317.1 R24.1@24709.43,20279.57 ; 24733.59,24739.31 24771.12,24739.31 ; 24733.59,25139.31 24771.12,25139.31 ; 24733.59,25539.31 24771.12,25539.31 ; 24733.59,25939.31 24771.12,25939.31 ; 24733.59,26339.31 24771.12,26339.31 ; 24737.22,21952.24 CON16.20@24737.22,21990.24 ; 24737.22,22028.24 CON16.20@24737.22,21990.24 ; 24737.22,22030.98 CON16.18@24737.22,22068.98 ; 24737.22,22106.98 CON16.18@24737.22,22068.98 ; 24737.22,22109.72 CON16.16@24737.22,22147.72 ; 24737.22,22185.72 CON16.16@24737.22,22147.72 ; 24737.22,22188.46 CON16.14@24737.22,22226.46 ; 24737.22,22264.46 CON16.14@24737.22,22226.46 ; 24737.22,22267.2 CON16.12@24737.22,22305.2 ; 24737.22,22343.2 CON16.12@24737.22,22305.2 ; 24737.22,22345.94 CON16.10@24737.22,22383.94 ; 24737.22,22421.94 CON16.10@24737.22,22383.94 ; 24737.22,22424.68 CON16.8@24737.22,22462.68 ; 24737.22,22500.68 CON16.8@24737.22,22462.68 ; 24737.22,22503.42 CON16.6@24737.22,22541.42 ; 24737.22,22579.42 CON16.6@24737.22,22541.42 ; 24737.22,22582.16 CON16.4@24737.22,22620.16 ; 24737.22,22658.16 CON16.4@24737.22,22620.16 ; 24739.22,21430.16 J38.4@24739.22,21468.16 ; 24739.22,21506.16 J38.4@24739.22,21468.16 ; 24746.96,20279.57 R24.1@24709.43,20279.57 ; 24771.12,24711.62 24771.12,24739.31 ; 24771.12,24767 24771.12,24739.31 ; 24771.12,25111.62 24771.12,25139.31 ; 24771.12,25167 24771.12,25139.31 ; 24771.12,25511.62 24771.12,25539.31 ; 24771.12,25567 24771.12,25539.31 ; 24771.12,25911.62 24771.12,25939.31 ; 24771.12,25967 24771.12,25939.31 ; 24771.12,26311.62 24771.12,26339.31 ; 24771.12,26367 24771.12,26339.31 ; 24775.23,21990.24 CON16.20@24737.22,21990.24 ; 24775.23,22068.98 CON16.18@24737.22,22068.98 ; 24775.23,22147.72 CON16.16@24737.22,22147.72 ; 24775.23,22226.46 CON16.14@24737.22,22226.46 ; 24775.23,22305.2 CON16.12@24737.22,22305.2 ; 24775.23,22383.94 CON16.10@24737.22,22383.94 ; 24775.23,22462.68 CON16.8@24737.22,22462.68 ; 24775.23,22541.42 CON16.6@24737.22,22541.42 ; 24775.23,22620.16 CON16.4@24737.22,22620.16 ; 24777.23,21468.16 J38.4@24739.22,21468.16 ; 24787.08,20008.05 H14.1@24661.08,20008.05 ; 24787.08,24223.41 H9.1@24661.08,24223.41 ; 24787.08,27173.41 H11.1@24661.08,27173.41
  TOP w10: 20517.85,23895.57 20516.04,23893.76 CON7.10@20516.04,23810.57 ; 20522.85,23730.57 20516.04,23737.38 CON7.10@20516.04,23810.57 ; 20552.85,23810.57 CON7.10@20516.04,23810.57 ; 20632.85,23755.57 20636.67,23759.39 CON7.5@20692.42,23759.39 20754.03,23759.39 v2(20762.85,23750.57) ; H13.1@20645.33,20008.05 20800.37,20008.05 20802.85,20005.57 ; H10.1@20645.33,27173.41 20795.02,27173.41 20837.85,27130.57 ; BAT1.2@21307.85,21900.57 21388.85,21900.57 21393.85,21905.57 v2(21417.85,21905.57) ; C40.2@21479.35,20790.57 v2(21517.85,20790.57) ; v3(21487.85,23080.57) 21488.17,23080.88 21558.17,23080.88 ; 21552.85,23021.83 CON10.15@21609.9,23021.83 ; 21552.85,23275.57 21570.37,23258.06 CON10.39@21609.9,23258.06 21640.37,23258.06 21652.85,23245.57 ; 21562.85,23660.29 21571.4,23651.75 CON10.79@21609.9,23651.75 ; 21677.85,22960.57 21677.85,22954.76 21689.51,22943.1 CON10.8@21728.01,22943.1 ; CON10.80@21728.01,23651.75 21784.03,23651.75 21787.85,23655.57 ; Y1.4@21756.31,20932.89 21756.31,20922.11 21757.85,20920.57 v2(21757.85,20885.57) ; v2(21777.85,26510.57) 21777.85,26543.89 21807.53,26573.57 C154.2@21852.85,26573.57 ; Y1.2@21829.39,21048.25 v2(21829.39,21100.57) ; v2(21837.85,21365.57) 21861.35,21365.57 C32.2@21876.35,21350.57 ; v2(21847.85,21295.57) C26.2@21876.35,21295.57 ; C154.2@21852.85,26575.57 C154.2@21852.85,26573.57 ; 21877.85,21555.57 R44.1@21877.85,21532.07 21887.85,21532.07 21920.85,21499.07 C33.2@21927.85,21499.07 21927.85,21470.57 v2(21922.85,21465.57) ; v2(21892.85,20900.57) C36.2@21892.85,20934.07 ; C37.2@21892.85,21042.07 v2(21892.85,21085.57) ; v2(21897.85,26510.57) 21897.85,26561.57 21885.85,26573.57 C154.2@21852.85,26573.57 ; 21922.85,25735.57 21928.46,25741.18 CN1.6@21928.46,25790.33 ; 22027.85,20825.57 22037.85,20835.57 R33.2@22037.85,20849.07 ; U8.48@22096.12,21082.3 22129.59,21082.3 v1(22162.85,21115.57) 22228.01,21180.73 U8.43@22096.12,21180.73 ; U8.38@22096.12,21279.15 22149.27,21279.15 v4(22237.85,21190.57) ; 22097.85,21040.57 22106.12,21048.84 U8.1@22129.59,21048.84 ; C95.2@22142.85,26769.07 22184.35,26769.07 v2(22197.85,26755.57) ; CN1.20@22204.05,25790.33 22204.05,25724.37 22207.85,25720.57 ; 22228.01,21085.73 U8.6@22228.01,21048.84 22228.01,21010.41 22232.85,21005.57 ; 22237.85,21005.57 22247.7,21015.41 U8.7@22247.7,21048.84 22247.7,21085.41 ; v2(22242.85,24065.57) 22269.76,24065.57 22292.97,24042.36 CON12.79@22292.97,24019.86 ; v2(22247.85,24180.57) 22287.85,24180.57 ; CON12.80@22292.97,24137.98 22292.97,24175.45 22287.85,24180.57 ; R4.1@22302.85,26769.07 R5.1@22352.85,26769.07 22352.85,26740.57 22342.85,26730.57 ; CON12.77@22312.66,24019.86 CON12.78@22312.66,24137.98 22312.66,24160.48 22292.57,24180.57 22287.85,24180.57 ; CN1.27@22341.85,25790.33 22341.85,25726.58 22342.85,25725.57 ; 22347.85,21140.57 22348.64,21141.36 U8.16@22379.59,21141.36 22427.07,21141.36 22427.85,21140.57 ; v2(22347.85,26410.57) v2@22352.85,26415.57 ; CON12.74@22352.03,24137.98 22352.03,24086.39 v2(22362.85,24075.57) ; CN1.29@22381.22,25790.33 22381.22,25727.21 22382.85,25725.57 ; v2(22387.85,20805.57) 22397.85,20815.57 C28.1@22397.85,20849.07 ; R11.2@22407.85,26307.07 22407.85,26315.57 v2(22382.85,26340.57) 22393.85,26351.57 Q8.2@22470.85,26351.57 ; CN1.32@22440.28,25790.33 22440.28,25718.15 22442.85,25715.57 ; C39.2@22447.85,20849.07 22447.85,20810.57 v2(22452.85,20805.57) ; v3(22517.85,25265.57) 22541.35,25289.07 C30.2@22552.85,25289.07 22555.91,25289.07 22588.91,25322.07 C58.2@22607.85,25322.07 ; 22552.85,25850.57 22558.38,25845.04 CN1.38@22558.38,25790.33 ; 22577.85,25855.57 22578.07,25855.35 CN1.39@22578.07,25790.33 ; 22607.85,23965.57 22607.93,23965.65 CON12.47@22607.93,24019.86 22607.93,24050.65 22612.85,24055.57 ; 22682.85,21880.57 22684.16,21879.26 J9.10@22684.16,21810.57 22684.16,21744.26 22692.85,21735.57 v2(22697.85,21735.57) 22702.85,21735.57 22723.53,21756.25 J9.12@22723.53,21810.57 22723.53,21874.89 22717.85,21880.57 ; 22782.85,21870.57 22782.59,21870.3 J9.15@22782.59,21810.57 22782.59,21769.8 22794.81,21757.57 22795.85,21757.57 v2(22817.85,21735.57) 22841.64,21759.36 J9.18@22841.64,21810.57 22841.64,21874.36 22842.85,21875.57 ; CON13.25@22824.47,22397.81 22824.47,22359.31 22837.85,22345.93 22837.85,22345.57 22837.85,22335.57 v2(22847.85,22325.57) ; 22890.15,24058.36 22903.21,24045.29 CON12.17@22903.21,24019.86 22903.21,23965.21 22907.85,23960.57 ; 22902.85,21875.57 22900.7,21873.41 J9.21@22900.7,21810.57 22900.7,21752.73 v2(22922.85,21730.57) 22959.75,21767.47 J9.24@22959.75,21810.57 22959.75,21873.67 22957.85,21875.57 ; CON12.16@22922.89,24137.98 22922.89,24180.61 22927.85,24185.57 ; 22927.85,24195.57 22942.58,24180.85 CON12.14@22942.58,24137.98 22942.58,24095.85 22952.85,24085.57 ; 22935.1,24070.57 22922.89,24058.36 CON12.15@22922.89,24019.86 22922.89,23980.54 22937.85,23965.57 ; J9.27@23018.81,21810.57 23018.81,21861.52 v2(23037.85,21880.57) 23038.49,21879.93 J9.28@23038.49,21810.57 ; CON13.4@23041,22515.93 23041,22548.72 23052.85,22560.57 ; v2(23057.85,20575.57) U4.15@23057.85,20653.21 ; J42.28@23217.22,25791.89 23217.22,25726.21 23217.85,25725.57 ; J42.27@23236.9,25791.89 23236.9,25731.52 23237.85,25730.57 ; U12.2@23241.79,25003.33 23241.79,25046.81 23265.55,25070.57 23293.84,25070.57 23300.85,25063.56 ; U12.53@23281.16,25308.44 23281.16,25353.88 23287.85,25360.57 ; U12.5@23300.85,25003.33 23300.85,25063.56 ; v1(23317.85,25080.57) 23300.85,25063.56 ; 23332.85,25365.57 23340.22,25358.21 U12.50@23340.22,25308.44 23340.22,25248.21 23347.85,25240.57 ; 23352.85,25060.57 23359.9,25053.52 U12.8@23359.9,25003.33 ; 23352.85,25370.57 23359.9,25363.52 U12.49@23359.9,25308.44 23359.9,25264.96 23374.29,25250.57 23382.85,25250.57 ; U12.10@23399.27,25003.33 23399.27,25046.81 23413.03,25060.57 23422.85,25060.57 ; 23412.85,25890.57 23412.85,25800.29 23413.38,25799.76 23413.38,25792.57 J42.18@23414.07,25791.89 23414.07,25584.36 v3(23427.85,25570.57) ; U12.13@23458.33,25003.33 23458.33,25061.04 v1(23472.85,25075.57) 23502.85,25075.57 23517.38,25061.04 U12.16@23517.38,25003.33 ; 23532.18,25716.25 J42.12@23532.18,25791.89 23532.18,25854.89 ; v1(23552.85,23630.57) 23552.85,23625.57 23566.04,23612.38 CON11.6@23625.65,23612.38 23669.67,23612.38 v3@23687.31,23630.03 ; U12.18@23556.75,25003.33 23556.75,25059.47 23572.85,25075.57 v1(23612.85,25075.57) ; 23562.85,23555.57 23565.1,23553.32 CON11.12@23625.65,23553.32 23664.15,23553.32 23687.31,23576.49 v3@23687.31,23630.03 ; 23571.55,25716.88 J42.10@23571.55,25791.89 23571.55,25846.88 ; v1(23602.85,25250.57) 23615.81,25263.52 U12.36@23615.81,25308.44 23615.81,25368.52 ; v1(23607.85,25390.57) 23615.81,25382.62 23615.81,25368.52 ; U12.21@23615.81,25003.33 23612.85,25006.28 v1(23612.85,25075.57) ; 23617.85,25370.57 23615.81,25368.52 ; CON11.78@23625.65,22903.72 23676.01,22903.72 23682.85,22910.57 ; U12.35@23635.49,25308.44 23635.49,25358.21 23647.85,25370.57 23647.85,25385.57 v1(23652.85,25390.57) ; U12.33@23674.86,25308.44 23674.86,25367.58 v1(23697.85,25390.57) ; 23685.75,21202.68 U10.28@23729.27,21202.68 ; v3(23687.31,23631.11) v3@23687.31,23630.03 ; U12.25@23694.55,25003.33 23694.55,25058.88 23677.85,25075.57 v1(23612.85,25075.57) ; CON11.69@23743.76,22982.47 23794.75,22982.47 23797.85,22985.57 ; CON11.17@23743.76,23494.28 23796.56,23494.28 23797.85,23495.57 ; CON11.11@23743.76,23553.32 23815.61,23553.32 v1(23827.85,23565.57) ; 23752.85,21330.57 23762.73,21320.69 U10.24@23762.73,21295.69 ; U12.29@23753.6,25308.44 23753.6,25366.32 23757.85,25370.57 ; v1(23817.85,24985.57) 23817.85,25015.07 C57.2@23822.85,25020.07 ; 23900.53,21123.94 U10.9@23933.99,21123.94 23954.49,21123.94 23962.85,21115.57 v2(23962.85,21095.57) ; v2(23902.85,20915.57) 23914.85,20927.57 C51.2@23914.85,20952.07 ; U28.2@24238.09,26490.73 24273.7,26490.73 24293.57,26510.6 24299.89,26510.6 24307.85,26518.57 v1(24307.85,26540.57) ; v3(24292.85,23555.57) 24347.85,23500.57 C100.2@24371.35,23500.57 ; v1(24312.85,23450.57) 24361.35,23450.57 C99.2@24371.35,23440.57 ; v3(24337.85,23605.57) 24371.35,23572.07 C101.2@24371.35,23565.57 ; Q3.2@24425.35,26044.32 24425.35,26018.07 24427.85,26015.57 v1(24427.85,25995.57) ; 24507.85,20000.57 24515.33,20008.05 H14.1@24661.08,20008.05 ; 24597.85,21230.57 24599.22,21231.94 J38.9@24660.48,21231.94 ; H11.1@24661.08,27173.41 24661.08,26927.34 24712.85,26875.57
  TOP w12: 22092.85,21060.57 22096.12,21063.84 U8.48@22096.12,21082.3 ; U10.28@23729.27,21202.68 23821.79,21202.68 U10.33@23831.63,21192.83 ; 23742.85,21315.57 23762.73,21295.69 U10.24@23762.73,21295.2 ; U10.20@23841.47,21295.2 23841.47,21256.95 23849.96,21248.47 23849.96,21211.16 U10.33@23831.63,21192.83 ; 23900.53,21123.94 U10.33@23831.63,21192.83
  TOP w20: v2(21977.85,26270.57) 21981.35,26274.07 R133.2@22022.85,26274.07 ; C5.2@22467.85,26725.57 22467.85,26752.07 22486.35,26770.57 C4.2@22486.35,26790.57 22479.85,26797.07 v2(22479.85,26830.57)
  TOP w30: v2@22352.85,26415.57 C61.2@22352.85,26463.41